# KiCad board kara70-pcb.kicad_pcb (continued)
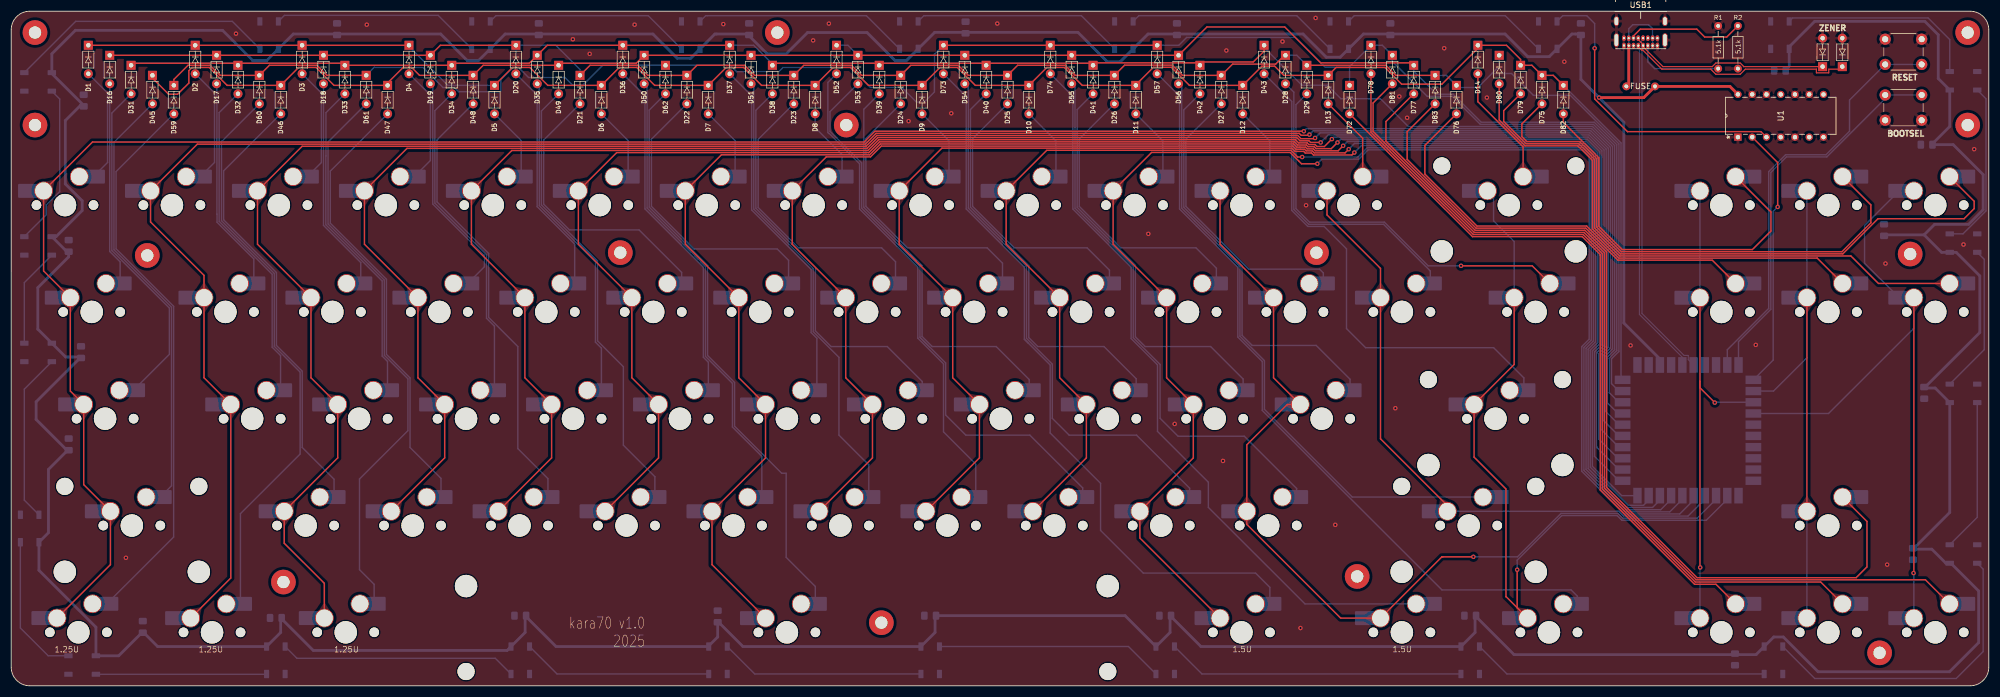
[diagram p0: board, top side]
## Nets
+5V: C1.1 C2.1 C3.1 C4.1 C5.1 C6.1 C7.1 C8.1 C9.1 C10.1 C11.1 C12.1 C13.1 C14.1 C15.1 C16.1 C17.1 C18.1 C19.1 C20.1 C21.1 C22.1 C23.1 C24.1 F1.1 LED1.1 LED2.1 LED3.1 LED4.1 LED5.1 LED6.1 LED7.1 LED8.1 LED9.1 LED10.1 LED11.1 LED12.1 LED13.1 LED14.1 LED15.1 LED16.1 LED17.1 LED18.1 LED19.1 LED20.1 LED21.1 LED22.1 LED23.1 LED24.1 U1.14 U2.33
GND: C1.2 C2.2 C3.2 C4.2 C5.2 C6.2 C7.2 C8.2 C9.2 C10.2 C11.2 C12.2 C13.2 C14.2 C15.2 C16.2 C17.2 C18.2 C19.2 C20.2 C21.2 C22.2 C23.2 C24.2 D69.2 D70.2 LED1.3 LED2.3 LED3.3 LED4.3 LED5.3 LED6.3 LED7.3 LED8.3 LED9.3 LED10.3 LED11.3 LED12.3 LED13.3 LED14.3 LED15.3 LED16.3 LED17.3 LED18.3 LED19.3 LED20.3 LED21.3 LED22.3 LED23.3 LED24.3 R1.1 R2.2 SW-BOOTSEL1.2 SW-RST1.2 U1.1 U1.4 U1.5 U1.7 U1.9 U1.10 U1.12 U1.13 U2.31 USB1.A1 USB1.A12 USB1.B1 USB1.B12 USB1.S1
VCC: F1.2 USB1.A4 USB1.A9 USB1.B4 USB1.B9
Bootselbtn: SW-BOOTSEL1.1 U2.40
col0: SW1.1 SW16.1 SW31.1 SW45.1 SW59.1 U2.25
col1: SW2.1 SW17.1 SW32.1 SW60.1 U2.24
col2: SW3.1 SW18.1 SW33.1 SW46.1 SW61.1 U2.23
col3: SW4.1 SW19.1 SW34.1 SW47.1 U2.22
col4: SW5.1 SW20.1 SW35.1 SW48.1 U2.21
col5: SW6.1 SW21.1 SW36.1 SW49.1 U2.20
col6: SW7.1 SW22.1 SW37.1 SW50.1 SW62.1 U2.19
col7: SW8.1 SW23.1 SW38.1 SW51.1 U2.18
col8: SW9.1 SW24.1 SW39.1 SW52.1 U2.17
col9: SW10.1 SW25.1 SW40.1 SW53.1 U2.16
col10: SW11.1 SW26.1 SW41.1 SW54.1 SW73.1 U2.15
col11: SW12.1 SW27.1 SW42.1 SW55.1 SW74.1 U2.13
col12: SW13.1 SW28.1 SW56.1 U2.14
col13: SW14.1 SW29.1 SW43.1 SW57.1 U2.12
col14: SW72.1 SW82.1 SW83.1 U2.3
col15: SW75.1 SW76.1 SW77.1 SW78.1 U2.2
col16: SW79.1 SW80.1 SW81.1 U2.4
D+: D70.1 U2.36 USB1.A6 USB1.B6
D-: D69.1 U2.35 USB1.A7 USB1.B7
led5vout: LED1.4 U1.3
ledpin: U1.2 U2.1
Resetbtn: SW-RST1.1 U2.39
row0: D1.1 D2.1 D3.1 D4.1 D5.1 D6.1 D7.1 D8.1 D9.1 D10.1 D11.1 D12.1 D13.1 D14.1 D75.1 D79.1 D82.1 U2.30
row1: D16.1 D17.1 D18.1 D19.1 D20.1 D21.1 D22.1 D23.1 D24.1 D25.1 D26.1 D27.1 D28.1 D29.1 D76.1 D80.1 D83.1 U2.29
row2: D31.1 D32.1 D33.1 D34.1 D35.1 D36.1 D37.1 D38.1 D39.1 D40.1 D41.1 D42.1 D43.1 U2.26
row3: D45.1 D46.1 D47.1 D48.1 D49.1 D50.1 D51.1 D52.1 D53.1 D54.1 D55.1 D56.1 D77.1 U2.28
row4: D57.1 D59.1 D60.1 D61.1 D62.1 D72.1 D73.1 D74.1 D78.1 D81.1 U2.27
Net-(D1-A): D1.2 SW1.2
Net-(D2-A): D2.2 SW2.2
Net-(D3-A): D3.2 SW3.2
Net-(D4-A): D4.2 SW4.2
Net-(D5-A): D5.2 SW5.2
Net-(D6-A): D6.2 SW6.2
Net-(D7-A): D7.2 SW7.2
Net-(D8-A): D8.2 SW8.2
Net-(D9-A): D9.2 SW9.2
Net-(D10-A): D10.2 SW10.2
Net-(D11-A): D11.2 SW11.2
Net-(D12-A): D12.2 SW12.2
Net-(D13-A): D13.2 SW13.2
Net-(D14-A): D14.2 SW14.2
Net-(D16-A): D16.2 SW16.2
Net-(D17-A): D17.2 SW17.2
Net-(D18-A): D18.2 SW18.2
Net-(D19-A): D19.2 SW19.2
Net-(D20-A): D20.2 SW20.2
Net-(D21-A): D21.2 SW21.2
Net-(D22-A): D22.2 SW22.2
Net-(D23-A): D23.2 SW23.2
Net-(D24-A): D24.2 SW24.2
Net-(D25-A): D25.2 SW25.2
Net-(D26-A): D26.2 SW26.2
Net-(D27-A): D27.2 SW27.2
Net-(D28-A): D28.2 SW28.2
Net-(D29-A): D29.2 SW29.2
Net-(D31-A): D31.2 SW31.2
Net-(D32-A): D32.2 SW32.2
Net-(D33-A): D33.2 SW33.2
Net-(D34-A): D34.2 SW34.2
Net-(D35-A): D35.2 SW35.2
Net-(D36-A): D36.2 SW36.2
Net-(D37-A): D37.2 SW37.2
Net-(D38-A): D38.2 SW38.2
Net-(D39-A): D39.2 SW39.2
Net-(D40-A): D40.2 SW40.2
Net-(D41-A): D41.2 SW41.2
Net-(D42-A): D42.2 SW42.2
Net-(D43-A): D43.2 SW43.2
Net-(D45-A): D45.2 SW45.2
Net-(D46-A): D46.2 SW46.2
Net-(D47-A): D47.2 SW47.2
Net-(D48-A): D48.2 SW48.2
Net-(D49-A): D49.2 SW49.2
Net-(D50-A): D50.2 SW50.2
Net-(D51-A): D51.2 SW51.2
Net-(D52-A): D52.2 SW52.2
Net-(D53-A): D53.2 SW53.2
Net-(D54-A): D54.2 SW54.2
Net-(D55-A): D55.2 SW55.2
Net-(D56-A): D56.2 SW56.2
Net-(D57-A): D57.2 SW57.2
Net-(D59-A): D59.2 SW59.2
Net-(D60-A): D60.2 SW60.2
Net-(D61-A): D61.2 SW61.2
Net-(D62-A): D62.2 SW62.2
Net-(D72-A): D72.2 SW72.2
Net-(D73-A): D73.2 SW73.2
Net-(D74-A): D74.2 SW74.2
Net-(D75-A): D75.2 SW75.2
Net-(D76-A): D76.2 SW76.2
Net-(D77-A): D77.2 SW77.2
Net-(D78-A): D78.2 SW78.2
Net-(D79-A): D79.2 SW79.2
Net-(D80-A): D80.2 SW80.2
Net-(D81-A): D81.2 SW81.2
Net-(D82-A): D82.2 SW82.2
Net-(D83-A): D83.2 SW83.2
Net-(LED1-DOUT): LED1.2 LED2.4
Net-(LED2-DOUT): LED2.2 LED3.4
Net-(LED3-DOUT): LED3.2 LED4.4
Net-(LED4-DOUT): LED4.2 LED5.4
Net-(LED5-DOUT): LED5.2 LED6.4
Net-(LED6-DOUT): LED6.2 LED7.4
Net-(LED7-DOUT): LED7.2 LED8.4
Net-(LED8-DOUT): LED8.2 LED9.4
Net-(LED10-DIN): LED9.2 LED10.4
Net-(LED10-DOUT): LED10.2 LED11.4
Net-(LED11-DOUT): LED11.2 LED12.4
Net-(LED12-DOUT): LED12.2 LED13.4
Net-(LED13-DOUT): LED13.2 LED14.4
Net-(LED14-DOUT): LED14.2 LED15.4
Net-(LED15-DOUT): LED15.2 LED16.4
Net-(LED16-DOUT): LED16.2 LED17.4
Net-(LED17-DOUT): LED17.2 LED18.4
Net-(LED18-DOUT): LED18.2 LED19.4
Net-(LED19-DOUT): LED19.2 LED20.4
Net-(LED20-DOUT): LED20.2 LED21.4
Net-(LED21-DOUT): LED21.2 LED22.4
Net-(LED22-DOUT): LED22.2 LED23.4
Net-(LED23-DOUT): LED23.2 LED24.4
Net-(USB1-CC1): R1.2 USB1.A5
Net-(USB1-CC2): R2.1 USB1.B5

Pads without a net: LED24 2; NOREF 1; NOREF#2 1; NOREF#3 1; NOREF#4 1; NOREF#5 1; NOREF#6 1; NOREF#7 1; NOREF#8 1; NOREF#9 1; NOREF#10 1; NOREF#11 1; NOREF#12 1; REF** 1; REF**#2 1; U1 6 8 11; U2 5 6 7 8 9 10 11 32 34 37 38; USB1 A8 B8

## Via types
v1: diameter 0.8, hole 0.4, Top to Bottom, 53 vias

## Routing (per net, layer and track width the routed paths; a pad name or vN(x,y) marks a point on that pad's centre or on a via; arc(x,y) is an arc through that point)
+5V: length 1101.9
  Top w0.5: v1(282.83,104.9) 290.78,104.9 F1.1 306.12,106.9 U1.14
  Bottom w0.5: 315.9,109.7 316.68,110.49 LED24.1 316.68,113.95 321.23,118.5 340.83,118.5 343.23,116.1 343.23,108.3 LED23.1 345.28,99.75 342.03,96.5 345.9,96.5 351.23,91.17 351.23,84.9 348.63,82.3 342.6,82.3 340.71,80.42 ; 340.71,80.42 333.58,80.42 ; 340.71,80.42 343.83,77.3 LED22.1 346.43,77.3 350.63,73.1 350.63,63 340.73,53.1 342.68,53.1 LED21.1 345.28,30.91 338.73,24.36 342.08,24.36 344.6,21.85 LED20.1 345.48,21.85 350.43,16.9 350.43,7.7 345.23,2.5 321.83,2.5 315.63,8.7 313.93,8.7 LED19.1 310.8,5.56 267.67,5.56 260.73,12.5 260.73,9.51 LED18.1 211.91,7 206.41,12.5 206.41,9.51 LED17.1 198.4,12.5 164.55,12.5 164.55,9.51 LED16.1 130.33,7 125.83,11.5 125.83,8.7 124.23,7.1 LED15.1 97.03,7 91.53,12.5 91.53,9.51 LED14.1 88.32,6.3 53.8,6.3 48,12.1 48,9.51 LED13.1 26.07,7 23.43,9.64 19.15,5.35 LED12.1 15.08,10.45 4.93,20.6 LED11.1 6.63,27.3 6.63,38.59 10.23,42.19 9.75,42.19 4.43,47.5 4.43,50.64 12.43,58.64 9.7,58.64 LED10.1 4.73,63.6 4.73,71 10.23,76.5 10.23,77.59 9.75,77.59 LED9.1 7.98,80.1 12.63,84.75 12.63,86.5 9.63,89.5 9.63,100.8 12.34,103.51 12.91,103.51 7.23,109.18 LED8.1 7.23,112.7 11.43,116.9 37.63,116.9 43.03,111.5 45.5,111.5 LED7.1 50.23,116.24 57.86,116.24 C7.1 58.21,116.24 76.5,116.24 81.23,111.5 83.23,111.5 LED6.1 87.97,116.24 114.3,116.24 118.63,111.9 121,111.9 LED5.1 125.33,116.24 131.43,116.24 131.43,115.9 134.63,112.7 138.03,112.7 141.83,116.5 152.43,116.5 157.43,111.5 159.45,111.5 LED4.1 164.48,116.54 190,116.54 195.23,111.3 197.55,111.3 LED3.1 202.48,116.24 230.1,116.24 234.23,112.1 236.71,112.1 LED2.1 240.85,116.24 266.08,116.24 270.12,112.2 273.95,112.2 LED1.1 277.98,116.24 279.58,116.24 279.58,108.15 v1(282.83,104.9) 287.23,100.5 287.23,64.7 293.66,58.28 U2.33
GND:
  vias: v1(20.42,22.83) v1(40.03,116.3) v1(63.33,117.9) v1(100.03,115.3) v1(103.03,112.7) v1(111.03,117.9) v1(126.83,118) v1(142.83,115.1) v1(145.63,118.1) v1(159.83,100.7) v1(167.43,102.1) v1(175.63,118.1) v1(202.53,80.6) v1(207.23,46.7) v1(215.83,40.1) v1(216.43,113.3) v1(226.43,114.9) v1(229.63,10.3) v1(230.63,85.7) v1(232.33,119.1) v1(235.83,28.7) v1(246.53,49.5) v1(247.23,105.1) v1(248.63,101.3) v1(255.23,113.7) v1(262.83,104.9) v1(276.63,111.3) v1(288.43,60.7) v1(310.73,60.8) v1(333.83,75.3) v1(334.13,21.6) v1(347.73,78.7) v1(349.63,95.7)
VCC: length 18.3
  Top w0.5: F1.2 288.11,107.33 USB1.A9
  Bottom w0.25: USB1.A4 292.36,115.5 USB1.B9 292.35,117.18 291.63,117.9 288.83,117.9 288.1,117.17 USB1.B4 288.1,114.18 USB1.A9
Bootselbtn: length 69.7
  Bottom w0.25: SW-BOOTSEL1.1 SW-BOOTSEL1.1 333.78,104.72 323.39,94.32 316.19,94.32 313.41,91.55 313.41,67.15 307.66,61.39 U2.40
col0: length 424
  Top w0.25: v1(230.23,98.9) 153.83,98.9 151.91,96.98 14.47,96.98 SW1.1 5.76,73.98 SW16.1 10.53,52.56 SW31.1 12.91,35.88 SW45.1 17.67,21.6 SW59.1
  Bottom w0.25: v1(230.23,98.9) 230.7,99.37 281.5,99.37 284.84,96.03 284.84,60.25 283.52,58.93 283.52,47.4 286.36,44.56 U2.25
col1: length 406.6
  Top w0.25: v1(231.23,98.3) 231.11,98.18 229.76,98.18 229.41,98.52 154.03,98.52 152.11,96.6 33.14,96.6 SW2.1 24.81,82.72 34.34,73.2 SW17.1 34.34,54.93 SW32.1 39.1,19.21 SW60.1
  Bottom w0.25: U2.24 286.36,42.56 283.14,45.78 283.14,59.09 284.46,60.4 284.46,95.87 281.34,98.99 231.92,98.99 v1(231.23,98.3)
col2: length 393.1
  Top w0.25: SW61.1 55.77,18.27 48.63,25.42 SW46.1 58.15,40.64 SW33.1 53.39,54.93 SW18.1 43.86,78.74 SW3.1 51.82,96.22 152.26,96.22 154.19,98.15 229.13,98.15 229.7,97.58 232.11,97.58 v1(232.23,97.7)
  Bottom w0.25: v1(232.23,97.7) 233.14,98.61 281.19,98.61 284.08,95.71 284.08,60.56 282.77,59.24 282.77,44.01 286.21,40.56 U2.23
col3: length 353.6
  Top w0.25: SW47.1 77.2,40.64 SW34.1 72.44,54.93 SW19.1 62.91,78.74 SW4.1 70.49,95.84 152.42,95.84 154.35,97.77 228.98,97.77 229.55,97.2 231.13,97.2 231.43,96.9 v1(233.23,96.9)
  Bottom w0.25: v1(233.23,96.9) 234.57,98.23 281.03,98.23 283.71,95.56 283.71,60.72 282.39,59.4 282.39,42.54 286.36,38.56 U2.22
col4: length 336.2
  Top w0.25: 235.23,97.51 233.9,96.18 232.58,96.18 232.23,96.52 231.13,96.52 230.83,96.82 229.3,96.82 228.73,97.39 154.5,97.39 152.58,95.46 89.16,95.46 SW5.1 81.96,78.74 SW20.1 91.49,54.93 SW35.1 96.25,40.64 SW48.1
  Bottom w0.25: U2.21 286.36,36.56 282.01,40.91 282.01,59.55 283.33,60.87 283.33,95.4 280.87,97.86 235.58,97.86 235.23,97.51
  vias: v1(235.23,97.5)
col5: length 321.5
  Top w0.25: SW49.1 115.3,40.64 SW36.1 110.54,54.93 SW21.1 101.01,78.74 SW6.1 107.83,95.09 152.73,95.09 154.66,97.01 228.58,97.01 229.15,96.44 230.68,96.44 230.97,96.15 232.08,96.15 232.43,95.8 235.13,95.8 v1(236.23,96.9)
  Bottom w0.25: v1(236.23,96.9) 236.81,97.48 280.72,97.48 282.95,95.24 282.95,61.03 281.63,59.71 281.63,39.14 286.86,33.91 U2.20
col6: length 329.1
  Top w0.25: v1(237.23,96.3) 236.35,95.42 232.27,95.42 231.92,95.77 230.82,95.77 230.52,96.06 228.99,96.06 228.42,96.63 154.82,96.63 152.89,94.71 126.5,94.71 SW7.1 120.06,78.74 SW22.1 129.59,54.93 SW37.1 134.35,40.64 SW50.1 124.83,21.59 SW62.1
  Bottom w0.25: v1(237.23,96.3) 238.03,97.1 280.56,97.1 282.57,95.09 282.57,61.19 281.25,59.87 281.25,38.98 288.05,32.19 290.73,32.19 291.66,33.11 U2.19
col7: length 289.1
  Top w0.25: v1(238.23,95.7) 237.57,95.04 232.11,95.04 231.76,95.39 230.66,95.39 230.36,95.69 228.83,95.69 228.26,96.26 154.97,96.26 153.05,94.33 145.18,94.33 SW8.1 139.11,78.74 SW23.1 148.64,54.93 SW38.1 153.4,40.64 SW51.1
  Bottom w0.25: v1(238.23,95.7) 239.25,96.72 280.4,96.72 282.19,94.93 282.19,61.34 280.88,60.02 280.88,38.76 287.83,31.81 292.36,31.81 293.66,33.11 U2.18
col8: length 271.9
  Top w0.25: v1(239.23,95.1) 238.8,94.66 231.96,94.66 231.61,95.01 230.5,95.01 230.21,95.31 228.68,95.31 228.11,95.88 165.77,95.88 SW9.1 158.16,78.74 SW24.1 167.69,54.93 SW39.1 172.45,40.64 SW52.1
  Bottom w0.25: U2.17 295.66,33.26 293.8,31.4 287.7,31.4 280.5,38.6 280.5,60.18 281.82,61.5 281.82,94.77 280.25,96.34 240.48,96.34 v1(239.23,95.1)
col9: length 254.9
  Top w0.25: v1(229.93,94.3) 229.15,94.3 227.95,95.5 184.45,95.5 SW10.1 177.21,78.74 SW25.1 186.74,54.93 SW40.1 191.5,40.64 SW53.1
  Bottom w0.25: U2.16 297.66,33.26 295.42,31.02 287.51,31.02 280.12,38.42 280.12,60.34 281.44,61.66 281.44,94.62 280.09,95.97 241.53,95.97 239.87,94.3 v1(229.93,94.3)
col10: length 263.6
  Top w0.25: SW73.1 201.03,26.36 SW54.1 210.55,40.64 SW41.1 205.79,54.93 SW26.1 196.26,78.74 SW11.1 203.12,95.12 227.79,95.12 229.81,93.1 v1(232.63,93.1)
  Bottom w0.25: v1(232.63,93.1) 233.46,93.92 240.03,93.92 241.69,95.59 279.93,95.59 281.06,94.46 281.06,61.81 279.74,60.49 279.74,38.26 287.36,30.65 297.19,30.65 299.66,33.11 U2.15
col11: length 171.5
  Top w0.25: 254.97,23 254.82,23 SW74.1 236.79,12.07 220.08,28.79 SW55.1 220.08,42.98 227.27,50.17 SW42.1 224.84,54.93 SW27.1 215.31,78.74 SW12.1 ; 254.97,23 254.81,23 ; 254.97,23 v1(260.43,23)
  Bottom w0.25: U2.13 303.66,33.26 300.28,29.89 287.04,29.89 286.19,30.74 276.03,30.74 268.3,23 v1(260.43,23)
col12: length 114.1
  Top w0.25: SW13.1 234.36,83.97 243.89,74.45 SW28.1 243.89,44.05 255.8,32.14 SW56.1
  Bottom w0.25: SW56.1 286.35,31.12 287.2,30.27 298.66,30.27 301.66,33.26 U2.14
col13: length 139.5
  Top w0.25: v1(268.23,20.7) 268.23,13.92 SW57.1 266.25,15.9 266.23,15.9 266.23,35.1 260.56,40.78 SW43.1 267.7,57.31 SW29.1
  Bottom w0.25: v1(268.23,20.7) 268.23,22.41 276.19,30.36 286.04,30.36 286.89,29.51 301.91,29.51 305.66,33.26 U2.12 ; SW14.1 264.03,87.17 264.03,82.9 267.7,79.23 SW29.1
col14: length 88
  Top w0.25: v1(303.43,50.5) 300.79,53.14 300.79,54.3 ; 300.79,54.3 300.79,21.14 v1(300.83,21.1) ; 300.79,54.3 SW83.1
  Bottom w0.25: v1(300.83,21.1) 300.79,21.06 SW72.1 ; SW82.1 SW83.1 ; v1(303.43,50.5) 303.5,50.56 U2.3
col15: length 98.9
  Top w0.25: SW76.1 SW77.1
  Bottom w0.25: U2.2 313.9,52.56 319.84,58.51 SW76.1 SW75.1 ; SW78.1 SW77.1
col16: length 121.7
  Top w0.25: v1(338.83,20.1) 338.89,20.16 SW80.1
  Bottom w0.25: U2.4 323.7,48.56 338.89,63.76 SW80.1 ; v1(338.83,20.1) 338.89,20.04 SW81.1 ; SW80.1 330.11,75.38 330.11,82.1 SW79.1
D+: length 97.2
  Top w0.2: D70.1 308.55,110.42 308.55,110.48 307.96,111.07 303.62,111.07 302.97,110.42 294.2,110.42 290.66,113.96 USB1.A6 290.66,114.39 289.8,115.24 USB1.B6
  Bottom w0.2: USB1.A6 290.66,113.68 290.46,113.48 290.46,66.41 297.96,58.92 298.71,58.92 298.71,58.16 U2.36
D-: length 102.3
  Top w0.2: USB1.A7 290.03,113.96 290.03,113.75 290.4,113.38 290.61,113.38 294.01,109.97 302.71,109.97 303.62,109.07 307.96,109.07 308.87,109.97 321.53,109.97 321.53,109.32 323.73,109.32 323.73,109.97 325.7,109.97 D69.1
  Bottom w0.2: U2.35 297.66,58.58 290.01,66.23 290.01,113.48 289.81,113.68 USB1.A7 289.81,114.39 290.65,115.23 USB1.B7
led5vout: length 54.6
  Top w0.25: v1(282.03,113.7) 282.03,104.68 287.88,98.83 311.66,98.83 U1.3
  Bottom w0.25: LED1.4 276.35,119.5 280.63,119.5 282.03,118.1 v1(282.03,113.7)
ledpin: length 47
  Top w0.25: v1(314.63,85.4) 314.63,93.31 U1.2
  Bottom w0.25: U2.1 313.83,58.09 313.83,84.6 v1(314.63,85.4)
Resetbtn: length 76
  Bottom w0.25: U2.39 305.66,59.93 313.03,67.3 313.03,91.7 316.03,94.7 323.23,94.7 327.43,98.9 327.43,104.47 SW-RST1.1 SW-RST1.1
row0: length 352
  Top w0.25: D82.1 274.67,108.87 D75.1 270.86,110.66 D79.1 268.84,111.71 266.32,114.23 D14.1 261.23,113.7 254.83,107.3 247.65,107.3 244.68,110.28 235.98,110.28 D13.1 226.67,108.87 225.03,110.5 222.76,110.5 D12.1 209.85,107.08 206.63,110.3 203.43,110.3 200.31,107.18 D11.1 190.76,107.08 187.56,110.28 184.46,110.28 D10.1 171.72,107.08 168.52,110.28 165.43,110.28 D9.1 152.68,107.08 149.49,110.28 146.39,110.28 D8.1 133.64,107.08 130.45,110.28 127.35,110.28 D7.1 114.61,107.08 111.41,110.28 108.31,110.28 D6.1 95.57,107.08 92.37,110.28 89.27,110.28 D5.1 ; D1.1 D2.1 D3.1 D4.1
  Bottom w0.25: D4.1 70.85,114 77.77,107.08 D5.1 ; D82.1 286.73,96.81 286.73,54.84 U2.30
row1: length 341
  Top w0.25: D21.1 103.1,110.66 111.57,110.66 113.35,108.87 D22.1 122.13,110.66 130.6,110.66 132.39,108.87 D23.1 141.17,110.66 149.64,110.66 151.43,108.87 D24.1 160.21,110.66 168.68,110.66 170.47,108.87 D25.1 179.25,110.66 187.72,110.66 189.51,108.87 D26.1 198.31,110.68 206.79,110.68 208.6,108.87 D27.1 217.55,110.88 225.21,110.88 226.78,112.44 D28.1 ; D29.1 238.83,110.66 238.83,110.66 244.83,110.66 246.62,108.87 D83.1 ; D20.1 76.44,114.23 D19.1 D18.1 D17.1 D16.1
  Bottom w0.25: 263.73,109.2 261.23,106.7 257.8,106.7 D76.1 255.63,108.87 D83.1 ; 263.73,109.2 265.04,110.5 D80.1 ; 263.73,109.2 267.23,109.2 271.13,105.3 277.7,105.3 286.35,96.65 286.35,59.62 285.03,58.3 285.03,53.89 286.36,52.56 U2.29 ; D21.1 101.31,109.92 97,114.23 D20.1 ; D28.1 228.98,112.44 D29.1
row2: length 330.5
  Top w0.25: D38.1 135.95,111.03 154.24,111.03 D39.1 154.99,111.03 173.28,111.03 D40.1 174.03,111.03 192.31,111.03 D41.1 193.14,111.1 211.28,111.1 D42.1 212.33,111.26 221.23,111.26 223.15,113.18 D43.1 ; D31.1 21.73,111.03 40.01,111.03 D32.1 40.76,111.03 59.05,111.03 D33.1 D34.1 78.84,111.04 92.28,111.04 D35.1 95.48,114.23 D36.1 D37.1
  Bottom w0.25: D43.1 223.15,113.85 229.9,107.1 234.43,107.1 236.83,104.7 243.88,104.7 248.84,99.75 281.66,99.75 285.22,96.18 285.22,60.09 283.9,58.77 283.9,49.02 286.36,46.56 U2.26 ; D38.1 135.58,110.89 132.23,114.23 D37.1
row3: length 337.2
  Top w0.25: D77.1 249.36,111.1 233.23,111.1 226.83,117.5 212.98,117.5 D56.1 D55.1 D54.1 D53.1 D51.1 D50.1 111.32,111.03 97.88,111.03 D49.1 84.06,110.66 D48.1 72.72,108.87 71.31,110.28 69.81,110.28 67.04,107.51 D47.1 57.49,107.08 54.3,110.28 51.2,110.28 D46.1 38.45,107.08 35.26,110.28 32.21,110.28 31.63,109.7 31.63,107.5 29.64,105.5 28.03,105.5 25.16,108.38 D45.1
  Bottom w0.25: D77.1 249.81,109.61 253.91,105.5 256.83,105.5 261.83,100.5 281.97,100.5 285.97,96.5 285.97,59.78 284.66,58.46 284.66,52.27 286.36,50.56 U2.28 ; D52.1 149.02,114.23 D53.1
row4: length 346.3
  Top w0.25: D73.1 D74.1 D57.1 ; D61.1 56.24,108.87 54.45,110.66 45.98,110.66 D60.1 37.2,108.87 35.41,110.66 31.49,110.66 28.96,108.13 D59.1
  Bottom w0.25: 238.38,110.42 D78.1 244.21,114.23 D81.1 246,111.34 252.21,105.12 256.68,105.12 261.68,100.12 281.81,100.12 285.6,96.34 285.6,59.93 284.28,58.62 284.28,50.49 286.21,48.56 U2.27 ; 238.38,110.42 D72.1 ; 238.38,110.42 238.26,110.3 234.03,110.3 228.71,115.63 209.36,115.63 207.96,114.23 D57.1 ; D73.1 164.43,112.63 164.43,105.9 162.63,104.1 161.23,104.1 158.63,106.7 153.06,106.7 149.49,110.28 137.45,110.28 136.7,109.53 129.2,109.53 128.08,110.66 D62.1 105.35,110.66 101.79,107.1 100.03,107.1 98.65,108.49 92.14,108.49 90.35,110.28 89.42,110.28 87.2,108.06 87.2,106.07 87.09,105.96 79.68,105.96 78.93,106.7 76.91,106.7 73.33,110.28 64.64,110.28 D61.1
Net-(D1-A): length 20.8
  Bottom w0.25: D1.2 17.16,105.72 17.16,93.34 SW1.2
Net-(D2-A): length 20.8
  Bottom w0.25: SW2.2 36.2,93.33 36.2,105.72 D2.2
Net-(D3-A): length 20.8
  Bottom w0.25: SW3.2 55.24,93.31 55.24,105.72 D3.2
Net-(D4-A): length 21.1
  Bottom w0.25: SW4.2 74.66,93.68 74.66,105.34 D4.2
Net-(D5-A): length 13.2
  Bottom w0.25: D5.2 90.83,97.25 SW5.2
Net-(D6-A): length 13.2
  Bottom w0.25: SW6.2 109.88,97.24 D6.2
Net-(D7-A): length 13.2
  Bottom w0.25: D7.2 128.93,97.22 SW7.2
Net-(D8-A): length 13.2
  Bottom w0.25: D8.2 143.19,99.54 147.98,94.75 SW8.2
Net-(D9-A): length 13.2
  Bottom w0.25: SW9.2 167.03,97.2 D9.2
Net-(D10-A): length 13.2
  Bottom w0.25: SW10.2 186.08,97.19 D10.2
Net-(D11-A): length 13.2
  Bottom w0.25: D11.2 205.13,97.18 SW11.2
Net-(D12-A): length 13.2
  Bottom w0.25: D12.2 224.18,97.16 SW12.2
Net-(D13-A): length 15.5
  Top w0.25: D13.2 240.71,97.65 SW13.2
Net-(D14-A): length 21.7
  Top w0.25: D14.2 261.23,104.17 269.29,96.11 SW14.2
Net-(D16-A): length 36.4
  Bottom w0.25: D16.2 17.54,77.46 19.4,75.61 SW16.2
Net-(D17-A): length 38.4
  Bottom w0.25: SW17.2 43.21,76.12 36.66,82.68 36.66,84.1 36.63,84.12 36.63,107.31 D17.2
Net-(D18-A): length 38.4
  Bottom w0.25: SW18.2 62.26,75.47 55.62,82.11 D18.2
Net-(D19-A): length 40.8
  Bottom w0.25: SW19.2 84.28,74.73 84.28,76.72 75.08,85.92 75.08,106.94 D19.2
Net-(D20-A): length 41.7
  Bottom w0.25: SW20.2 100.36,78.77 93.68,85.45 93.68,105.36 D20.2
Net-(D21-A): length 52.2
  Bottom w0.25: SW21.2 119.41,73.73 111.83,81.3 99.43,81.3 94.83,85.9 94.83,97.31 D21.2
Net-(D22-A): length 53.4
  Bottom w0.25: D22.2 114.03,97.48 114.03,85.5 121.63,77.9 136.43,77.9 138.46,75.88 SW22.2
Net-(D23-A): length 53.5
  Bottom w0.25: D23.2 133.03,97.44 133.03,85.3 140.23,78.1 155.03,78.1 157.51,75.63 SW23.2
Net-(D24-A): length 53
  Bottom w0.25: SW24.2 176.56,75.38 173.83,78.1 159.63,78.1 152.23,85.5 152.23,97.6 D24.2
Net-(D25-A): length 52.3
  Bottom w0.25: SW25.2 195.61,74.13 191.63,78.1 178.63,78.1 171.23,85.5 171.23,97.56 D25.2
Net-(D26-A): length 52.6
  Bottom w0.25: SW26.2 214.66,74.48 211.03,78.1 197.63,78.1 190.23,85.5 190.23,97.52 D26.2
Net-(D27-A): length 52.2
  Bottom w0.25: SW27.2 233.71,73.63 233.03,74.3 220.43,74.3 209.23,85.5 209.23,97.49 D27.2
Net-(D28-A): length 54.1
  Bottom w0.25: SW28.2 252.76,73.98 244.43,82.3 231.1,82.3 228.46,84.95 228.46,105.87 D28.2
Net-(D29-A): length 72
  Top w0.25: v1(258.23,74.9) 270.91,74.9 SW29.2
  Bottom w0.25: v1(258.23,74.9) 252.37,74.9 244.59,82.68 231.26,82.68 228.83,85.1 228.83,103.64 D29.2
Net-(D31-A): length 61.2
  Bottom w0.25: D31.2 17.92,102.15 17.92,77.62 28.17,67.37 28.17,59.11 SW31.2
Net-(D32-A): length 58.8
  Bottom w0.25: SW32.2 47.97,58.9 46.48,60.39 46.48,73.39 37.03,82.83 37.03,102.22 D32.2
Net-(D33-A): length 58.8
  Bottom w0.25: SW33.2 67.02,57.85 66.08,58.79 66.08,72.19 56.03,82.23 56.03,94.48 56.06,94.5 56.06,102.21 D33.2
Net-(D34-A): length 58.5
  Bottom w0.25: SW34.2 86.07,64.13 84.66,65.55 84.66,76.88 75.46,86.08 75.46,102.57 D34.2
Net-(D35-A): length 59.4
  Bottom w0.25: D35.2 94.06,107 94.06,85.61 104.06,75.61 104.06,61.28 105.12,60.22 SW35.2
Net-(D36-A): length 62.8
  Bottom w0.25: D36.2 112.88,105.2 112.88,85.05 123.28,74.65 123.28,58.59 124.17,57.7 SW36.2
Net-(D37-A): length 63
  Bottom w0.25: D37.2 131.88,105.24 131.88,84.85 142.48,74.25 142.48,62.99 143.5,61.97 143.5,52.99 SW37.2
Net-(D38-A): length 72.2
  Bottom w0.25: D38.2 132.63,102.63 132.63,85.17 143.23,74.57 143.23,63.3 146.03,60.5 156.03,60.5 162.27,54.27 SW38.2
Net-(D39-A): length 72.9
  Bottom w0.25: D39.2 151.86,102.82 151.86,85.35 162.23,74.97 162.23,62.3 164.03,60.5 175.43,60.5 181.32,54.62 SW39.2
Net-(D40-A): length 73.2
  Bottom w0.25: D40.2 170.86,102.78 170.86,85.35 181.23,74.97 181.23,62.1 182.83,60.5 194.63,60.5 200.37,54.77 SW40.2
Net-(D41-A): length 73.1
  Bottom w0.25: SW41.2 219.42,54.72 213.63,60.5 201.97,60.5 200.23,62.24 200.23,74.97 189.86,85.35 189.86,102.74 D41.2
Net-(D42-A): length 73
  Bottom w0.25: D42.2 208.86,102.7 208.86,85.35 219.23,74.97 219.23,62.5 221.03,60.7 232.43,60.7 238.47,54.67 SW42.2
Net-(D43-A): length 90.7
  Bottom w0.25: D43.2 228.08,104.23 228.08,84.79 230.94,81.92 233.83,81.92 237.83,77.92 237.83,63.7 241.23,60.3 264.03,60.3 269.43,54.91 SW43.2
Net-(D45-A): length 78
  Bottom w0.25: D45.2 18.3,96.93 18.3,77.77 28.55,67.52 28.55,35.67 SW45.2
Net-(D46-A): length 80.7
  Bottom w0.25: SW46.2 57.5,36.84 51.83,42.5 51.83,56.1 47.23,60.7 47.23,73.7 37.83,83.1 37.83,91.83 D46.2
Net-(D47-A): length 80.7
  Bottom w0.25: D47.2 56.83,91.8 56.83,82.5 66.83,72.5 66.83,59.1 71.03,54.9 71.03,42.5 76.55,36.99 SW47.2
Net-(D48-A): length 81
  Bottom w0.25: SW48.2 95.6,36.94 90.23,42.3 90.23,60.5 85.03,65.7 85.03,77.1 75.83,86.3 75.83,97.35 D48.2
Net-(D49-A): length 81.6
  Bottom w0.25: D49.2 94.43,102.51 94.43,85.77 104.43,75.77 104.43,61.5 109.03,56.9 109.03,42.9 114.65,37.29 SW49.2
Net-(D50-A): length 82.4
  Bottom w0.25: SW50.2 133.7,40.9 128.46,46.15 128.46,53.95 123.66,58.75 123.66,74.81 113.26,85.21 113.26,106.84 D50.2
Net-(D51-A): length 82.4
  Bottom w0.25: SW51.2 152.75,39.39 147.43,44.7 147.43,58.57 142.86,63.15 142.86,74.41 132.26,85.01 132.26,106.88 D51.2
Net-(D52-A): length 87.1
  Bottom w0.25: SW52.2 171.8,39.54 166.06,45.28 166.06,57.41 161.48,61.99 161.48,74.65 151.1,85.03 151.1,93.1 145.7,98.5 145.63,98.5 145.46,98.68 145.46,107.61 D52.2
Net-(D53-A): length 103.5
  Bottom w0.25: 163.57,60.44 166.43,57.57 166.43,48.3 170.03,44.7 181.43,44.7 190.85,35.29 SW53.2 ; 163.57,60.44 161.86,62.15 ; 163.57,60.44 161.86,62.15 ; 161.86,62.15 161.86,74.81 151.48,85.19 151.48,93.26 145.83,98.9 145.83,102.39 D53.2
Net-(D54-A): length 97.3
  Bottom w0.25: SW54.2 209.9,35.24 200.43,44.7 188.43,44.7 185.43,47.7 185.43,57.37 180.83,61.97 180.83,74.83 170.48,85.19 170.48,106.73 D54.2
Net-(D55-A): length 97.2
  Bottom w0.25: SW55.2 228.95,35.19 219.63,44.5 207.83,44.5 204.63,47.7 204.63,57.3 199.86,62.08 199.86,74.81 189.48,85.19 189.48,106.77 D55.2
Net-(D56-A): length 109.8
  Bottom w0.25: SW56.2 238.86,33.66 223.21,49.3 223.21,57.99 218.86,62.35 218.86,74.81 210.8,82.87 208.48,85.19 208.48,106.81 D56.2
Net-(D57-A): length 139
  Bottom w0.25: SW57.2 278.95,15.98 277.83,17.1 254.83,17.1 222.83,49.1 222.83,57.83 218.48,62.19 218.48,74.65 211.13,82 208.1,85.03 208.1,105.17 D57.2
Net-(D59-A): length 100.8
  Bottom w0.25: D59.2 18.68,91.71 18.68,77.93 28.92,67.68 28.92,26.53 SW59.2
Net-(D60-A): length 102.2
  Bottom w0.25: SW60.2 40.83,30.7 51.46,41.32 51.46,55.95 46.86,60.55 46.86,73.55 37.46,82.95 37.46,97.05 D60.2
Net-(D61-A): length 102.5
  Bottom w0.25: SW61.2 64.64,18.1 62.03,20.7 62.03,36.88 70.66,45.5 70.66,54.75 66.46,58.95 66.46,72.35 56.43,82.37 56.43,96.99 D61.2
Net-(D62-A): length 104.9
  Bottom w0.25: SW62.2 143.22,17.71 138.03,22.9 138.03,37.9 137.23,37.9 128.83,46.3 128.83,54.1 124.03,58.9 124.03,74.97 113.63,85.37 113.63,102.67 D62.2
Net-(D72-A): length 129.6
  Top w0.25: SW72.2 303.65,18.1 299.83,18.1 283.03,34.9 283.03,76.9 279.83,80.1 260.28,80.1 D72.2
Net-(D73-A): length 131.2
  Bottom w0.25: 181.1,61.17 180.46,61.81 180.46,74.68 170.1,85.03 170.1,105.09 D73.2 ; 181.1,61.17 185.06,57.21 185.06,45.08 194.03,36.1 194.03,27.7 201.63,20.1 221.63,20.1 224.18,17.55 ; 181.1,61.17 180.48,61.79 ; SW73.2 224.18,17.55
Net-(D74-A): length 133.1
  Bottom w0.25: D74.2 189.1,105.13 189.1,85.03 199.48,74.65 199.48,61.92 204.17,57.24 204.17,45.37 213.23,36.3 213.23,31.81 230.44,14.61 SW74.2
Net-(D75-A): length 97.6
  Top w0.25: D75.2 269.07,100.21 269.07,97.94 269.95,97.06 279.35,97.06 282.39,94.02 282.39,81.82 286.8,77.41 326.08,77.41 331.23,82.57 331.23,85.77 SW75.2
Net-(D76-A): length 95.5
  Top w0.25: SW76.2 321.67,76.28 286.33,76.28 280.62,81.99 261.07,81.99 251.79,91.26 251.79,96.38 D76.2
Net-(D77-A): length 168.1
  Top w0.25: D77.2 244.86,100.63 244.86,97.13 260.75,81.24 280.3,81.24 284.17,77.37 284.17,35.37 300.26,19.28 328.61,19.28 330.53,21.2 330.53,29.32 SW77.2
Net-(D78-A): length 153.9
  Top w0.25: D78.2 242.19,98.73 260.44,80.48 279.99,80.48 283.41,77.06 283.41,35.06 299.97,18.5 322.3,18.5 SW78.2
Net-(D79-A): length 117.8
  Top w0.25: D79.2 265.83,102.57 265.83,100.64 269.79,96.68 279.19,96.68 282.01,93.86 282.01,81.67 286.64,77.04 326.23,77.04 332.5,83.3 347.83,83.3 349.63,85.1 349.63,86.42 SW79.2
Net-(D80-A): length 105.9
  Top w0.25: D80.2 265.04,100.9 269.63,96.3 279.03,96.3 281.63,93.7 281.63,81.51 286.49,76.66 327.68,76.66 332.58,71.76 SW80.2
Net-(D81-A): length 172.1
  Top w0.25: SW81.2 340.95,18.9 300.1,18.9 283.79,35.22 283.79,77.22 280.15,80.86 260.6,80.86 242.57,98.89 242.57,103.94 D81.2
Net-(D82-A): length 68.7
  Top w0.25: D82.2 276.46,100.48 282.77,94.17 282.77,81.98 286.95,77.79 310.12,77.79 313.43,81.1 313.43,84.51 SW82.2
Net-(D83-A): length 79.6
  Top w0.25: SW83.2 302.99,75.9 286.17,75.9 280.46,81.61 260.91,81.61 248.63,93.89 248.63,98.81 D83.2
Net-(LED1-DOUT): length 36.7
  Bottom w0.25: LED2.4 239.21,119.5 266.12,119.5 LED1.2
Net-(LED2-DOUT): length 37.9
  Bottom w0.25: LED3.4 200.85,119.5 228.98,119.5 LED2.2
Net-(LED3-DOUT): length 37.9
  Bottom w0.25: LED3.2 190.62,119.5 162.55,119.5 LED4.4
Net-(LED4-DOUT): length 38.4
  Bottom w0.25: LED5.4 123.7,119.5 152.32,119.5 LED4.2
Net-(LED5-DOUT): length 36.9
  Bottom w0.25: LED6.4 86.33,119.5 113.47,119.5 LED5.2
Net-(LED6-DOUT): length 37.4
  Bottom w0.25: LED7.4 48.66,119.57 76.05,119.57 LED6.2
Net-(LED7-DOUT): length 47.8
  Bottom w0.25: LED7.2 39.37,118.5 11.48,118.5 LED8.4
Net-(LED8-DOUT): length 29.1
  Bottom w0.25: LED8.2 8.63,104.65 8.63,88.14 6.23,85.74 6.23,84 LED9.4
Net-(LED10-DIN): length 17.7
  Bottom w0.25: LED10.4 2.33,71.9 LED9.2
Net-(LED10-DOUT): length 30.4
  Bottom w0.25: LED11.4 2.33,33.1 2.33,52.9 LED10.2
Net-(LED11-DOUT): length 25.9
  Bottom w0.25: LED12.4 6.58,5.35 1.63,10.3 LED11.2
Net-(LED12-DOUT): length 30.4
  Bottom w0.25: LED13.4 45.43,2.05 LED12.2
Net-(LED13-DOUT): length 42.3
  Bottom w0.25: LED14.4 86.22,4.9 50.88,4.9 LED13.2
Net-(LED14-DOUT): length 33.9
  Bottom w0.25: LED15.4 97.22,2.1 LED14.2
Net-(LED15-DOUT): length 36.5
  Bottom w0.25: LED16.4 132.43,2.1 LED15.2
Net-(LED16-DOUT): length 40.6
  Bottom w0.25: LED17.4 199,7 LED16.2
Net-(LED17-DOUT): length 53.1
  Bottom w0.25: LED17.2 212.1,2.1 LED18.4
Net-(LED18-DOUT): length 52.7
  Bottom w0.25: LED18.2 266.42,2.1 LED19.4
Net-(LED19-DOUT): length 56.2
  Bottom w0.25: LED19.2 321.23,1.3 346.43,1.3 351.23,6.1 351.23,20.8 LED20.4
Net-(LED20-DOUT): length 27.4
  Bottom w0.25: LED21.4 350.18,30.05 LED20.2
Net-(LED21-DOUT): length 26.6
  Bottom w0.25: LED21.2 351.43,59.95 351.43,76.05 LED22.4
Net-(LED22-DOUT): length 30.3
  Bottom w0.25: LED22.2 347.64,80.6 351.74,84.69 351.74,104.7 LED23.4
Net-(LED23-DOUT): length 36.1
  Bottom w0.25: LED24.4 317.3,119.1 341.43,119.1 345.28,115.25 LED23.2
Net-(USB1-CC1): length 15.9
  Bottom w0.25: R1.2 292.72,110.07 291.51,111.28 USB1.A5
Net-(USB1-CC2): length 20.9
  Top w0.25: R2.1 305.56,115.7 301.63,115.7 300.23,117.1 290.15,117.1 288.95,115.9 USB1.B5

## Copper pours and planes (outline as drawn; the poured copper is in the pictures)
GND on Top, Bottom: 0.04,123.01 408.25,122.64 408.15,-1.62 0.16,-0.1

Small or netless copper shapes (teardrops, artwork), in the pictures only: 120 on Top, 15 on Bottom

## Text on the board
F.Silkscreen: 1.25U | 1.5U | ZENER | BOOTSEL | RESET | kara70 v1.0 / 2025
